# Altium PCB Printing2.PcbDoc (part 1 of 5) (continued)
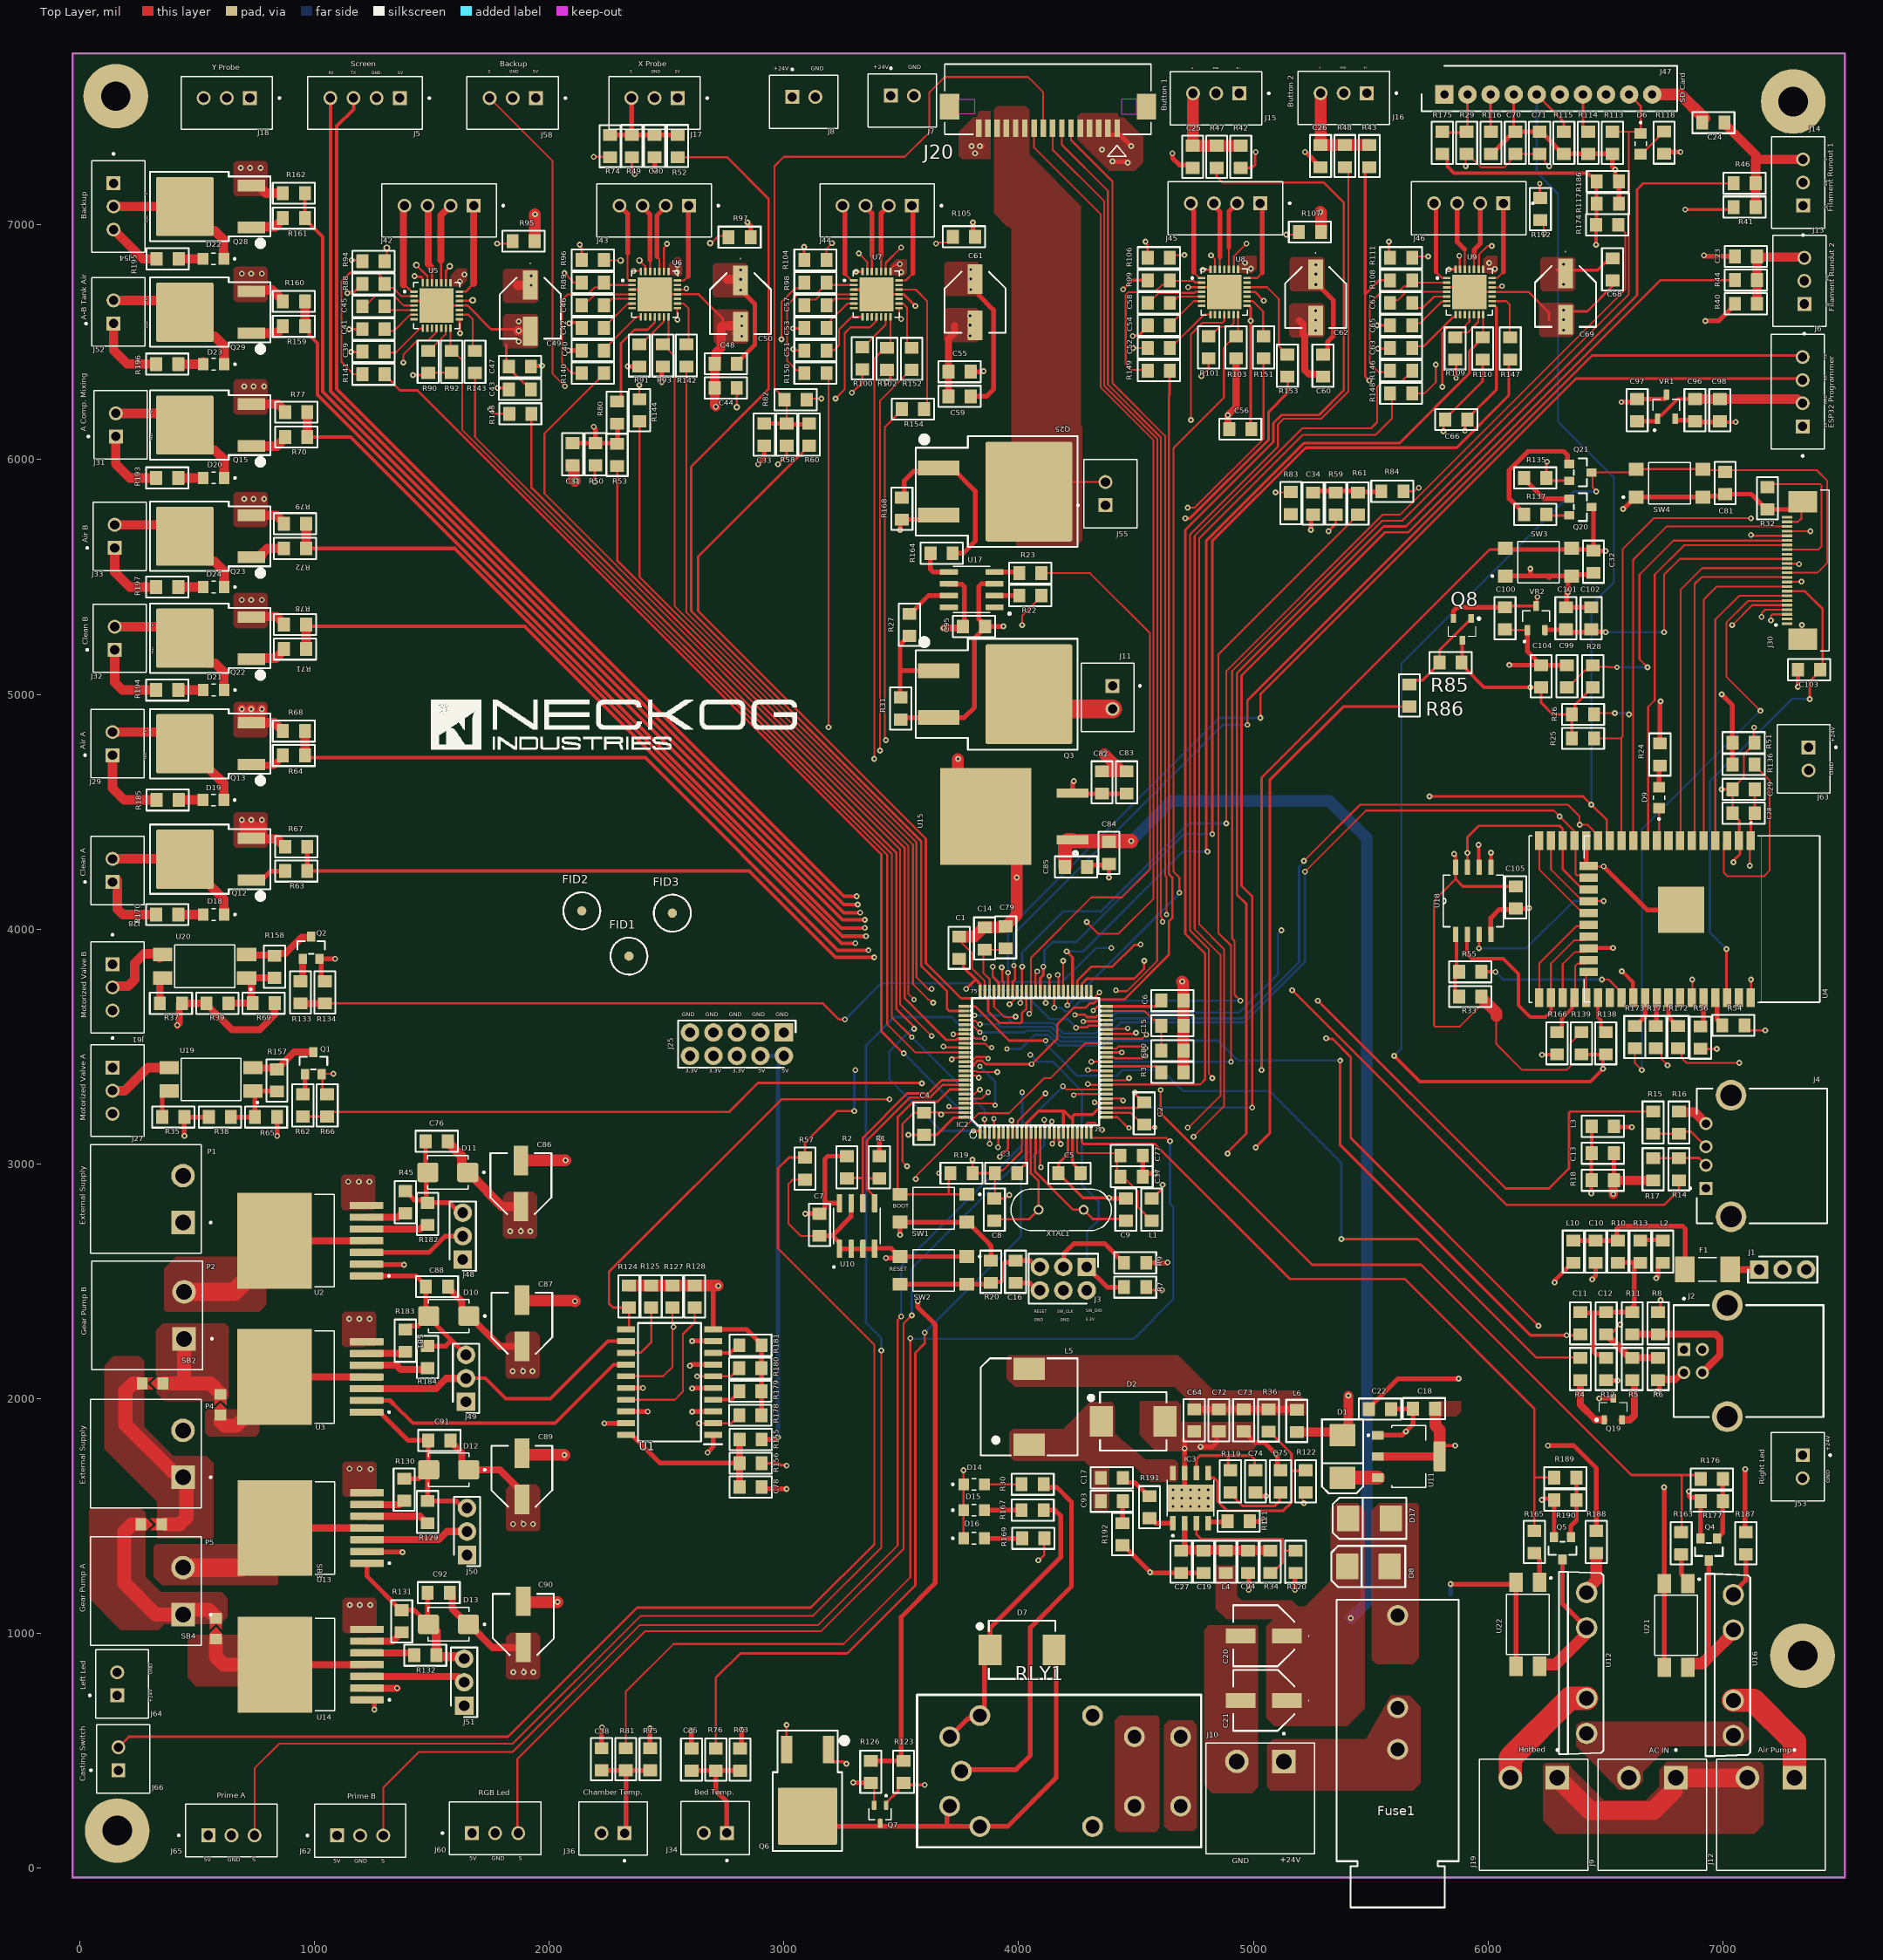
[diagram p0: Top Layer view]
## Components (designator, comment, footprint, x,y, rotation, side; value= is the part's Value field where it differs from the comment) (continued)
R39 "StandardResistor" R_0805_GEN_0.70H 587.3,3683.91 r0 top value=3.3K
R40 "StandardResistor" R_0805_GEN_0.60H 7098.76,6663.52 r0 top value=4.7K
R41 "StandardResistor" R_0805_GEN_0.60H 7093.14,7075.5 r0 top value=4.7K
R42 "StandardResistor" R_0805_GEN_0.60H 4946.56,7289.76 r90 top value=4.7K
R43 "StandardResistor" R_0805_GEN_0.60H 5493.94,7292.76 r90 top value=4.7K
R44 "StandardResistor" R_0805_GEN_0.70H 7098.76,6764.51 r0 top value=100R
R45 "StandardResistor" R_0805_GEN_0.70H 1387.27,2836.98 r270 top value=1K
R46 "StandardResistor" R_0805_GEN_0.70H 7093.14,7176.68 r0 top value=100R
R47 "StandardResistor" R_0805_GEN_0.70H 4844,7289.76 r90 top value=100R
R48 "StandardResistor" R_0805_GEN_0.70H 5390,7292.76 r90 top value=100R
R49 "StandardResistor" R_0805_GEN_0.60H 2352.39,7335.43 r90 top value=4.7K
R50 "StandardResistor" R_0805_GEN_0.60H 2197.31,6022.76 r90 top value=4.7K
R51 "StandardResistor" R_0805_GEN_0.60H 7088.47,4794.49 r180 top value=4.7K
R52 "StandardResistor" R_0805_GEN_0.70H 2547,7335.43 r90 top value=1K
R53 "StandardResistor" R_0805_GEN_0.70H 2290,6020 r90 top value=1K
R54 "StandardJumper" R_0805_GEN_0.70H 7045,3590 r180 top value=0R
R55 "StandardJumper" R_0805_GEN_0.70H 5923.72,3817.87 r180 top value=0R
R56 "StandardJumper" R_0805_GEN_0.70H 6905,3537.76 r90 top value=0R
R57 "StandardResistor" R_0805_GEN_0.70H 3090,2980 r90 top value=2.2K
R58 "StandardResistor" R_0805_GEN_0.60H 3012.11,6106.43 r90 top value=4.7K
R59 "StandardResistor" R_0805_GEN_0.60H 5350.74,5812.43 r90 top value=4.7K
R60 "StandardResistor" R_0805_GEN_0.70H 3107.8,6106.43 r90 top value=1K
R61 "StandardResistor" R_0805_GEN_0.70H 5446.42,5812.43 r90 top value=1K
R62 "StandardResistor" R_0805_GEN_0.70H 950.84,3248.76 r90 top value=33R
R63 "StandardResistor" R_0805_GEN_0.70H 922.57,4247.08 r180 top value=33R
R64 "StandardResistor" R_0805_GEN_0.70H 912.57,4739.36 r180 top value=33R
R65 "StandardResistor" R_0805_GEN_0.70H 794.15,3199.55 r180 top value=3.3K
R66 "StandardResistor" R_0805_GEN_0.70H 1054.39,3248.76 r90 top value=3.3K
R67 "StandardResistor" R_0805_GEN_0.70H 922.57,4350.62 r180 top value=3.3K
R68 "StandardResistor" R_0805_GEN_0.70H 912.57,4843.69 r180 top value=3.3K
R69 "StandardResistor" R_0805_GEN_0.70H 784.15,3684.31 r180 top value=3.3K
R70 "StandardResistor" R_0805_GEN_0.70H 922.57,6095.98 r180 top value=33R
R71 "StandardResistor" R_0805_GEN_0.70H 917.57,5192.83 r180 top value=33R
R72 "StandardResistor" R_0805_GEN_0.70H 917.57,5621.45 r180 top value=33R
R73 "StandardResistor" R_0805_GEN_0.60H 2813.44,462.76 r90 top value=4.7K
R74 "StandardJumper" R_0805_GEN_0.70H 2260,7335 r270 top value=0R
R75 "StandardResistor" R_0805_GEN_0.60H 2430.21,463.93 r90 top value=4.7K
R76 "StandardResistor" R_0805_GEN_0.70H 2710,462.76 r270 top value=100R
R77 "StandardResistor" R_0805_GEN_0.70H 922.57,6201.88 r180 top value=3.3K
R78 "StandardResistor" R_0805_GEN_0.70H 917.57,5297.16 r180 top value=3.3K
R79 "StandardResistor" R_0805_GEN_0.70H 917.57,5726.96 r180 top value=3.3K
R80 "StandardJumper" R_0805_GEN_0.70H 2290,6200 r90 top value=0R
R81 "StandardResistor" R_0805_GEN_0.70H 2326.76,463.93 r270 top value=100R
R82 "StandardJumper" R_0805_GEN_0.70H 3050,6255 r0 top value=0R
R83 "StandardJumper" R_0805_GEN_0.70H 5160,5815 r90 top value=0R
R84 "StandardJumper" R_0805_GEN_0.70H 5592.24,5865 r0 top value=0R
R85 "StandardResistor" R_0805_GEN_0.60H 5840,5135 r180 top value=4.7K
R86 "StandardResistor" R_0805_GEN_0.60H 5665,4995 r90 top value=1K
R88 "StandardResistor" R_0805_GEN_0.70H 1252.17,6748.75 r180 top value=22K
R89 "StandardResistor" R_0805_GEN_0.70H 2186.22,6753.75 r180 top value=22K
R90 "StandardJumper" R_0805_GEN_0.70H 1484.41,6416.09 r90 top value=0R
R91 "StandardJumper" R_0805_GEN_0.70H 2384.41,6443.33 r90 top value=0R
R92 "StandardResistor" R_0805_GEN_0.70H 1584.41,6416.09 r270 top value=22K
R93 "StandardResistor" R_0805_GEN_0.70H 2484.41,6443.33 r270 top value=22K
R94 "StandardResistor" R_0805_GEN_0.70H 1252.17,6845.1 r0 top value=1K
R95 "StandardResistor" R_0805_GEN_0.70H 1891.41,6930.33 r180 top value=1K
R96 "StandardResistor" R_0805_GEN_0.70H 2186.22,6850.1 r0 top value=1K
R97 "StandardResistor" R_0805_GEN_0.70H 2811.41,6947.33 r180 top value=1K
R98 "StandardResistor" R_0805_GEN_0.70H 3134.41,6753.75 r180 top value=22K
R99 "StandardResistor" R_0805_GEN_0.70H 4597.2,6763.75 r180 top value=22K
R100 "StandardJumper" R_0805_GEN_0.70H 3334.45,6431.17 r90 top value=0R
R101 "StandardJumper" R_0805_GEN_0.70H 4809.41,6478.33 r90 top value=0R
R102 "StandardResistor" R_0805_GEN_0.70H 3439.43,6429 r270 top value=22K
R103 "StandardResistor" R_0805_GEN_0.70H 4926.41,6478.33 r270 top value=22K
R104 "StandardResistor" R_0805_GEN_0.70H 3134.41,6850.1 r0 top value=1K
R105 "StandardResistor" R_0805_GEN_0.70H 3767.41,6949.33 r180 top value=1K
R106 "StandardResistor" R_0805_GEN_0.70H 4597.2,6860.1 r0 top value=1K
R107 "StandardResistor" R_0805_GEN_0.70H 5241.17,6969.33 r180 top value=1K
R108 "StandardResistor" R_0805_GEN_0.70H 5629.49,6763.75 r180 top value=22K
R109 "StandardJumper" R_0805_GEN_0.70H 5859.41,6473.33 r90 top value=0R
R110 "StandardResistor" R_0805_GEN_0.70H 5976.91,6473.33 r270 top value=22K
R111 "StandardResistor" R_0805_GEN_0.70H 5629.49,6860.1 r0 top value=1K
R112 "StandardResistor" R_0805_GEN_0.70H 6222.67,7067.41 r270 top value=1K
R113 "StandardResistor" R_0805_GEN_0.70H 6529.87,7349.49 r270 top value=10K
R114 "StandardResistor" R_0805_GEN_0.70H 6426.37,7349.49 r270 top value=10K
R115 "StandardResistor" R_0805_GEN_0.70H 6322.87,7349.49 r270 top value=10K
R116 "StandardResistor" R_0805_GEN_0.70H 6012.36,7349.49 r270 top value=10K
R117 "StandardResistor" R_0805_GEN_0.70H 6510.35,7090 r0 top value=10K
R118 "StandardResistor" R_0805_GEN_0.70H 6750,7350 r90 top value=1.8K
R119 "StandardResistor" R_0805_GEN_0.70H 4902.5,1647.5 r90 top value=16.9K
R120 "StandardResistor" R_0805_GEN_0.70H 5180,1305 r90 top value=90.9K
R121 "StandardResistor" R_0805_GEN_0.70H 4937.5,1477.5 r180 top value=243K
R122 "StandardResistor" R_0805_GEN_0.70H 5222.5,1647.5 r90 top value=10.2K
R123 "1K" R_0805_GEN_0.60H 3510,410 r270 top value=4.7K
R124 "StandardResistor" R_0805_GEN_0.70H 2340,2435 r270 top value=1K
R125 "StandardResistor" R_0805_GEN_0.70H 2435,2435 r270 top value=1K
R126 "StandardResistor" R_0805_GEN_0.60H 3370,410 r270 top value=4.7K
R127 "StandardResistor" R_0805_GEN_0.70H 2525,2435 r270 top value=1K
R128 "StandardResistor" R_0805_GEN_0.70H 2620,2435 r270 top value=1K
R129 "StandardResistor" R_0805_GEN_0.70H 1482.27,1516.98 r270 top value=1K
R130 "StandardResistor" R_0805_GEN_0.70H 1382.27,1611.98 r270 top value=1K
R131 "StandardResistor" R_0805_GEN_0.70H 1372.27,1051.98 r270 top value=1K
R132 "StandardResistor" R_0805_GEN_0.70H 1472.27,906.98 r180 top value=1K
R133 "StandardResistor" R_0805_GEN_0.70H 940.84,3730.76 r90 top value=33R
R134 "StandardResistor" R_0805_GEN_0.70H 1044.39,3730.76 r90 top value=3.3K
R135 "StandardResistor" R_0805_GEN_0.70H 6200.79,5921.87 r180 top value=10K
R136 "StandardJumper" R_0805_GEN_0.70H 7088.47,4701.49 r0 top value=0R
R137 "StandardResistor" R_0805_GEN_0.70H 6200.79,5766.28 r180 top value=10K
R138 "StandardJumper" R_0805_GEN_0.70H 6501.65,3513.62 r90 top value=0R
R139 "StandardResistor" R_0805_GEN_0.60H 6397.65,3513.62 r270 top value=4.7K
R140 "StandardJumper" R_0805_GEN_0.70H 2186.22,6368.33 r180 top value=0R
R141 "StandardJumper" R_0805_GEN_0.70H 1252.17,6363.33 r180 top value=0R
R142 "StandardJumper" R_0805_GEN_0.70H 2584.41,6443.33 r90 top value=0R
R143 "StandardJumper" R_0805_GEN_0.70H 1684.41,6416.09 r90 top value=0R
R144 "StandardJumper" R_0805_GEN_0.70H 2385,6210 r90 top value=0R
R145 "StandardJumper" R_0805_GEN_0.70H 1877.24,6195 r180 top value=0R
R146 "StandardJumper" R_0805_GEN_0.70H 5629.49,6378.33 r180 top value=0R
R147 "StandardJumper" R_0805_GEN_0.70H 6094.41,6473.33 r90 top value=0R
R148 "StandardJumper" R_0805_GEN_0.70H 5629.41,6282.33 r0 top value=0R
R149 "StandardJumper" R_0805_GEN_0.70H 4597.2,6378.33 r180 top value=0R
R150 "StandardJumper" R_0805_GEN_0.70H 3134.41,6368.33 r180 top value=0R
R151 "StandardJumper" R_0805_GEN_0.70H 5043.41,6478.33 r90 top value=0R
R152 "StandardJumper" R_0805_GEN_0.70H 3544.41,6429 r90 top value=0R
R153 "StandardJumper" R_0805_GEN_0.70H 5145.41,6400.33 r90 top value=0R
R154 "StandardJumper" R_0805_GEN_0.70H 3550,6215 r0 top value=0R
R155 "StandardJumper" R_0805_GEN_0.70H 2858.22,1826.25 r180 top value=0R
R156 "StandardJumper" R_0805_GEN_0.70H 2858.22,1725.07 r0 top value=0R
R157 "StandardResistor" R_0805_GEN_0.70H 840.21,3355.46 r90 top value=DNP
R158 "StandardResistor" R_0805_GEN_0.70H 830.21,3839.43 r90 top value=3.3K
R159 "StandardResistor" R_0805_GEN_0.70H 912.57,6567.63 r180 top value=33R
R160 "StandardResistor" R_0805_GEN_0.70H 912.57,6673.93 r180 top value=3.3K
R161 "StandardResistor" R_0805_GEN_0.70H 912.57,7028.18 r180 top value=33R
R162 "StandardResistor" R_0805_GEN_0.70H 912.57,7134.87 r180 top value=3.3K
R163 "StandardResistor" R_0805_GEN_0.70H 6823,1384.24 r90 top value=330R
R164 "StandardResistor" R_0805_GEN_0.70H 3672,5601 r0 top value=100R
R165 "StandardResistor" R_0805_GEN_0.70H 6197,1389.24 r90 top value=330R
R166 "StandardJumper" R_0805_GEN_0.70H 6293.66,3513.62 r270 top value=0R
R167 "StandardResistor" R_0805_GEN_0.70H 4060,1525 r0 top value=2.2K
R168 "StandardResistor" R_0805_GEN_0.70H 3503,5791 r90 top value=3.3K
R169 "StandardResistor" R_0805_GEN_0.70H 4062.24,1405 r0 top value=1K
R170 "StandardResistor" R_0805_GEN_0.70H 373,4062 r180 top value=10K
R171 "StandardJumper" R_0805_GEN_0.70H 6715,3540 r270 top value=0R
R172 "StandardJumper" R_0805_GEN_0.70H 6810,3540 r270 top value=0R
R173 "StandardJumper" R_0805_GEN_0.70H 6625,3540 r90 top value=0R
R174 "StandardJumper" R_0805_GEN_0.70H 6507.76,7000 r180 top value=0R
R175 "StandardJumper" R_0805_GEN_0.70H 5805.35,7349.49 r90 top value=0R
R176 "StandardResistor" R_0805_GEN_0.70H 6953,1658 r0 top value=33R
R177 "StandardResistor" R_0805_GEN_0.70H 6953,1563 r180 top value=3.3K
R178 "StandardResistor" R_0805_GEN_0.70H 2857.43,1929.01 r180 top value=1K
R179 "StandardResistor" R_0805_GEN_0.70H 2857.43,2031.76 r180 top value=1K
R180 "StandardResistor" R_0805_GEN_0.70H 2857.02,2129.27 r180 top value=1K
R181 "StandardResistor" R_0805_GEN_0.70H 2858.02,2227.27 r180 top value=1K
R182 "StandardResistor" R_0805_GEN_0.70H 1482.27,2786.98 r270 top value=1K
R183 "StandardResistor" R_0805_GEN_0.70H 1387.27,2246.98 r270 top value=1K
R184 "StandardResistor" R_0805_GEN_0.70H 1482.27,2176.98 r270 top value=1K
R185 "StandardResistor" R_0805_GEN_0.70H 375,4550 r180 top value=10K
R186 "StandardResistor" R_0805_GEN_0.60H 6510,7185 r0 top value=4.7K
R187 "StandardResistor" R_0805_GEN_0.70H 7098,1384.24 r270 top value=1K
R188 "StandardResistor" R_0805_GEN_0.70H 6461,1389.24 r270 top value=1K
R189 "StandardResistor" R_0805_GEN_0.70H 6329,1663 r0 top value=33R
R190 "StandardResistor" R_0805_GEN_0.70H 6329,1568 r180 top value=3.3K
R191 "PlaceHolder" R_0805_GEN_0.70H 4557.5,1537.5 r90 top value=0R
R192 "PlaceHolder" R_0805_GEN_0.70H 4442.5,1422.5 r90 top value=0R
R193 "StandardResistor" R_0805_GEN_0.70H 373,5922 r180 top value=10K
R194 "StandardResistor" R_0805_GEN_0.70H 373,5018.35 r180 top value=10K
R195 "StandardResistor" R_0805_GEN_0.70H 375,6855 r180 top value=10K
R196 "StandardResistor" R_0805_GEN_0.70H 373,6407 r180 top value=10K
R197 "StandardResistor" R_0805_GEN_0.70H 373,5457 r180 top value=10K
RLY1 "G5RL-1A-E-HR-DC24" relay 4226.79,-151.22 r0 top
SB1 "" 0805_SB 599.41,1974.41 r270 top
SB2 "0805_SB" 0805_SB 310,2065 r0 top
SB3 "" 0805_SB 580,1020 r270 top
SB4 "" 0805_SB 305,1465 r180 top
SW1 "L-KLS7-TS4502-6.5-180-T" L-KLS7-TS4502-6.5-180-T 3637.58,2810.97 r180 top
SW2 "L-KLS7-TS4502-6.5-180-T" L-KLS7-TS4502-6.5-180-T 3637.58,2546.41 r180 top
SW3 "L-KLS7-TS4502-6.5-180-T" L-KLS7-TS4502-6.5-180-T 6214.82,5562.86 r0 top
SW4 "L-KLS7-TS4502-6.5-180-T" L-KLS7-TS4502-6.5-180-T 6773.27,5899.09 r0 top
U1 "SN74AHC244DW" SN74AHC244DW 2513.02,2070.27 r180 top
U2 "BTN8982TA" DPAK127P1500X440-8N 982.94,2672.68 r180 top
U3 "BTN8982TA" DPAK127P1500X440-8N 983.33,2092.37 r180 top
U4 "ESP-WROOM-32" ESP_DUAL 6816.21,4081.35 r270 top
U5 "TMC2209-LA" QFN50P500X500X90-29N 1520.63,6656.4 r0 top
U6 "TMC2209-LA" QFN50P500X500X90-29N 2449.84,6704.16 r0 top
U7 "TMC2209-LA" QFN50P500X500X90-29N 3394.65,6704.16 r0 top
U8 "TMC2209-LA" QFN50P500X500X90-29N 4876.34,6714.16 r0 top
U9 "TMC2209-LA" QFN50P500X500X90-29N 5920.43,6714.16 r0 top
U10 "AT24CS64-SSHM-B" SOIC127P599X175-8N 3311.75,2735.5 r90 top
U11 "AMS1117-3.3" SOT229P700X180-4N 5661.99,1753.88 r270 top
U12 "CPC1998J SSR" I4-PAC 6420,874 r90 top
U13 "BTN8982TA" DPAK127P1500X440-8N 984.91,1449.06 r180 top
U14 "BTN8982TA" DPAK127P1500X440-8N 984.91,866.98 r180 top
U15 "L7812CD2T-TR" TO254P1515X470-3N 3981.97,4480 r180 top
U16 "CPC1998J SSR" I4-PAC 7045,865 r90 top
U17 "IX4427N" SOIC127P600X175-8N 3800,5446 r180 top
U18 "PSRAM_ESP32" SOP8 5936.72,4119.87 r90 top
U19 "FOD817S" SOIC254P1016X385-4N 560,3360 r180 top
U20 "FOD817S" SOIC254P1016X385-4N 532.57,3841.77 r180 top
U21 "FOD817S" SOIC254P1016X385-4N 6801,1034 r270 top
U22 "FOD817S" SOIC254P1016X385-4N 6169,1039 r270 top
VR1 "XC6206P282MR" SOT95P280X130-3N 6759.54,6225.04 r90 top
VR2 "XC6206P122MR" SOT95P280X130-3N 6205,5325 r90 top
XTAL1 "ATS08A-E" XTAL_HC49P488W43L1085T450H368 4181.28,2804.67 r0 top

## Footprints (in the part's own frame and the unit in brackets; to place one, negate y for a bottom-side part, rotate by r counter-clockwise, add the part's x,y. Pads: shape width x height; smd on the part's side, far side on the other; paste and mask are expansions set on the pad)
"5.08 Klemens" [mm]
  rect 2.55x2.55 / inner round 2.55 / far side rect 2.55x2.55 hole 1.7: 1(0,0)
  round 2.55 hole 1.7: 2(5.08,0)
  silkscreen extent -3.34,-3.1 8.42,10, body extent -3.38,-1.97 8.38,10.03, height 8.5
"5.08 KLEMENS" [mm]
  rect 2.55x2.55 / inner round 2.55 / far side rect 2.55x2.55 hole 1.7: 1(0,0)
  round 2.55 hole 1.7: 2(5.08,0)
  silkscreen extent -3.34,-3.1 8.42,10, body extent -3.38,-1.97 8.38,10.03, height 8.5
5PH1SDA25-203G0NNBL-3X6 [mm]
  rect 2x2 hole 1.15: 1(0,0)
  round 2 hole 1.15: 2(0,2.54) 3(2.54,0) 4(2.54,2.54) 5(5.08,0) 6(5.08,2.54)
  silkscreen extent -1.21,-1.43 6.29,3.97, body extent -1.07,-1.17 6.15,3.71, height 8.12
"0805 LED" [mm]
  rect 1.15x1.3 smd: A(1.125,0) K(-1.125,0)
  silkscreen extent -2.4,-0.63 0.23,0.63, body extent -1,-0.62 1,0.62, height 0.73
0805_SB [mm]
  rect 1.15x1.3 smd: 1(-1.125,0) 2(1.125,0)
  Top Layer region: -0.91,-0.65 0.11,-0.65 -0.55,0.01 0.09,0.65 -0.91,0.65
  Top Layer region: 0.657,0.65 0.466,0.65 -0.173,0.011 0.487,-0.651 0.656,-0.651
"2410 SIGORTA" [mm]
  rect 2.15x2.8 smd: 1(-2.455,0) 2(2.455,0)
  silkscreen extent -1,-1.27 1,1.27, body extent -3.05,-1.27 3.05,1.27, height 2.79
7447798720 [mm]
  rect 3.4x2.4 smd: 1(0,-4.1) 2(0,4.1)
  silkscreen extent -5.25,-5.25 5.25,5.25, body extent -5.1,-5.1 5.1,5.1, height 4.5
696310001002 [mm]
  round 2.25 hole 1.5: 1(-9.5,0) 1(-5,0) 2(5,0)
  silkscreen extent -26.6,-6.6 6.7,6.6, body extent -26.29,-6.47 6.81,6.53, height 12.5
B560C-13-F [mm]
  rect 2.5x3.3 smd: A(3.45,0) K(-3.45,0)
  silkscreen extent -4.77,-3.15 3.6,3.15, body extent -3.77,-3.11 3.77,3.11, height 2.62
BC817-40W,115 [mm]
  rrect25% 0.99x0.5 smd: 1(-0.97,0.65) 2(-0.97,-0.65) 3(0.97,0)
  silkscreen extent -2.1,-1.21 0.63,1.21, body extent -1.05,-1 1.05,1, height 1.11
BH10B-XH-2(LF)(SN) [mm]
  rect 2x2 hole 0.9: 1(0,0)
  round 2 hole 0.9: 2(2.5,0) 3(5,0) 4(7.5,0) 5(10,0) 6(12.5,0) 7(15,0) 8(17.5,0) 9(20,0) 10(22.5,0)
  silkscreen extent -2.45,-1.8 25.2,3.1, body extent -2.46,-1.79 24.94,3.11, height 5.86
C_0805_GEN_0.70H [mm] "ADDED BY: İlhanT, CHECKED BY: TBD, APPROVAL STATUS: NO"
  rrect5% 1.3x1.5 smd: 1(-1.2,0) 2(1.2,0)
  silkscreen extent -2.29,-1.14 2.29,1.14, body extent -1.08,-0.67 1.08,0.67, height 0.71
C_0805_GEN_1.10H [mm] "ADDED BY: HasanA, CHECKED BY: TBD, APPROVAL STATUS: NO"
  rrect5% 1.3x1.5 smd: 1(-1.2,0) 2(1.2,0)
  silkscreen extent -2.29,-1.14 2.29,1.14, body extent -1.1,-0.72 1.1,0.73, height 1.1
C_0805_GEN_1.40H [mm] "ADDED BY: HasanA, CHECKED BY: TBD, APPROVAL STATUS: NO"
  rrect5% 1.3x1.5 smd: 1(-1.2,0) 2(1.2,0)
  silkscreen extent -2.29,-1.14 2.29,1.14, body extent -1.1,-0.72 1.1,0.72, height 1.4
CAM_CONN [mm]
  rect 0.3x1.1 smd: 1(-5.75,0) 2(-5.25,0) 3(-4.75,0) 4(-4.25,0) 5(-3.75,0) 6(-3.25,0) 7(-2.75,0) 8(-2.25,0) 9(-1.75,0) 10(-1.25,0) 11(-0.75,0) 12(-0.25,0) 13(0.25,0) 14(0.75,0) 15(1.25,0) 16(1.75,0) 17(2.25,0) 18(2.75,0) 19(3.25,0) 20(3.75,0) 21(4.25,0) 22(4.75,0) 23(5.25,0) 24(5.75,0)
  rect 2.3x3.1 smd: S1(-7.42,-1.7) S2(7.42,-1.7)
  silkscreen extent -8.71,-4.55 8.71,1.3, body extent -8.73,-4.55 8.7,0.55, height 2.05
CON_522071633_MOL [mm]
  rect 0.6x1.9 smd paste+0 mask+0.076: 1(-7.5,3.15) 2(-6.5,3.15) 3(-5.5,3.15) 4(-4.5,3.15) 5(-3.5,3.15) 6(-2.5,3.15) 7(-1.5,3.15) 8(-0.5,3.15) 9(0.5,3.15) 10(1.5,3.15) 11(2.5,3.15) 12(3.5,3.15) 13(4.5,3.15) 14(5.5,3.15) 15(6.5,3.15) 16(7.5,3.15)
  rect 2.1x2.8 smd paste+0 mask+0.076: P1(-10.65,0.8) P2(10.65,0.8)
  Keep-Out Layer region: 7.95,0 7.95,1.6 9.6,1.6 9.6,0
  Keep-Out Layer region: -7.95,0 -7.95,1.6 -9.6,1.6 -9.6,0
  silkscreen extent -11.15,-3.8 11.15,6.2, body extent -11.02,-3.44 11.28,4.16, height 2.75
D2PAK-3_SQM60N20-35 [mm] "ADDED BY: HasanA, CHECKED BY: İlhanT, APPROVAL STATUS: NO"
  rrect5% 1.6x4.5 smd paste-4.5: 1(-2.55,-9.75) 3(2.53,-9.75)
  rrect5% 10.8x9.4 smd paste-10.8: TAB(0,0)
  silkscreen extent -6,-12.25 6,5.25, body extent -5,-10.99 5,4.68, height 4.93
DPAK127P1500X440-8N [mm]
  rrect25% 3.67x0.79 smd: 1(-6.07,3.81) 2(-6.07,2.54) 3(-6.07,1.27) 4(-6.07,0) 5(-6.07,-1.27) 6(-6.07,-2.54) 7(-6.07,-3.81)
  rect 8.04x10.37 smd paste-6: 8(3.89,0)
  silkscreen extent -8.6,-5 -0.44,5, body extent -7.21,-5 7.51,5, height 4.4
DPAK_SQD50N10-8M9L [mm] "ADDED BY: ÝlhanT, CHECKED BY: ???, APPROVAL STATUS: NO"
  rrect5% 1.25x3 smd paste-3: 1(-2.266,-7.2) 3(2.266,-7.2)
  rrect5% 6.4x6.2 smd paste-6.2: TAB(0,0)
  silkscreen extent -4.29,-9.25 3.75,3.75, body extent -3.23,-7.15 3.24,2.76, height 2.52
ESP_DUAL [mm]
  rect 2x0.9 smd: 1(-7.509,7.676) 2(-7.509,6.406) 3(-7.509,5.136) 4(-7.509,3.866) 5(-7.509,2.596) 6(-7.509,1.326) 7(-7.509,0.056) 8(-7.509,-1.214) 9(-7.509,-2.484) 10(-7.509,-3.754) 11(-7.509,-5.024) 12(-7.509,-6.294) 13(-7.509,-7.564) 14(-7.509,-8.834) 15(-7.509,-10.104) 16(-7.509,-11.374) 17(-7.509,-12.644) 18(-7.509,-13.914) 19(-7.509,-15.184) 20(9.491,-15.184) 21(9.491,-13.914) 22(9.491,-12.644) 23(9.491,-11.374) 24(9.491,-10.104) 25(9.491,-8.834) 26(9.491,-7.564) 27(9.491,-6.294) 28(9.491,-5.024) 29(9.491,-3.754) 30(9.491,-2.484) 31(9.491,-1.214) 32(9.491,0.056) 33(9.491,1.326) 34(9.491,2.596) 35(9.491,3.866) 36(9.491,5.136) 37(9.491,6.406) 38(9.491,7.676)
  rect 0.9x2 smd: 15(-4.75,-9.837) 16(-3.48,-9.837) 17(-2.21,-9.837) 18(-0.94,-9.837) 19(0.33,-9.837) 20(1.6,-9.837) 21(2.87,-9.837) 22(4.14,-9.837) 23(5.41,-9.837) 24(6.68,-9.837)
  rect 5x5 smd paste-0.92: 39(-0.009,0.176)
  Keep-Out Layer region: 9.965,8.863 -8.035,8.863 -8.035,15.163 9.965,15.163
  silkscreen extent -9.51,-16.28 9.99,15.16, body extent -8.03,-10.34 9.97,15.16, height 3.2
FB_0805_GEN_1.10H [mm] "ADDED BY: HasanA, CHECKED BY: ErayC, APPROVAL STATUS: NO"
  rrect5% 1.3x1.5 smd: 1(-1.2,0) 2(1.2,0)
  silkscreen extent -2.29,-1.14 2.29,1.14, body extent -1,-0.55 1,0.55, height 1.26
I4-PAC [mm]
  round 2.3 hole 1.6: 1(-7.62,0) 2(-3.81,0) 3(3.81,0) 4(7.62,0)
  silkscreen extent -9.85,-1.83 9.87,3
JST_B2B-XH-A(LF)(SN) [mm]
  rect 1.508x1.508 hole 1: 1(1.25,0)
  round 1.508 hole 1: 2(-1.25,0)
  silkscreen extent -3.7,-3.07 3.7,3.4, body extent -3.7,-2.32 3.7,3.43, height 7
JST_B3B-XH-A(LF)(SN) [mm]
  rect 1.508x1.508 hole 1: 1(-2.5,-0.525)
  round 1.508 hole 1: 2(0,-0.525) 3(2.5,-0.525)
  silkscreen extent -5.8,-2.88 4.95,2.88, body extent -4.95,-2.87 4.95,2.88, height 7
JST_B4B-XH-A(LF)(SN) [mm]
  rect 1.508x1.508 hole 1: 1(-3.75,-0.525)
  round 1.508 hole 1: 2(-1.25,-0.525) 3(1.25,-0.525) 4(3.75,-0.525)
  silkscreen extent -7.05,-2.88 6.2,2.88, body extent -6.2,-2.87 6.2,2.88, height 7
L-KLS1-207-1-03-S [mm]
  rect 2x2 hole 1.15: 1(0,0)
  round 2 hole 1.15: 2(2.54,0) 3(5.08,0)
  silkscreen extent -1.21,-1.43 6.29,1.43, body extent -1.07,-1.17 6.15,1.17, height 8.12
L-KLS1-207-2-10-S [mm]
  rect 2x2 hole 1.1: 1(0,0)
  round 2 hole 1.1: 2(0,2.54) 3(2.54,0) 4(2.54,2.54) 5(5.08,0) 6(5.08,2.54) 7(7.62,0) 8(7.62,2.54) 9(10.16,0) 10(10.16,2.54)
  silkscreen extent -1.27,-1.27 11.43,3.81, body extent -1.27,-1.27 11.43,3.81, height 9.25
L-KLS7-TS4502-6.5-180-T [mm]
  rect 1.6x1.4 smd: 1(-3.6,-1.5) 2(-3.6,1.5) 3(3.6,1.5) 4(3.6,-1.5)
  silkscreen extent -5.1,-2.25 2.25,2.25, body extent -3.75,-2.25 3.75,2.25, height 3.7
LQFP100-0.5-13.8X13.8MM [mm]
  rect 1.2x0.32 smd: 1(-7.75,6) 2(-7.75,5.5) 3(-7.75,5) 4(-7.75,4.5) 5(-7.75,4) 6(-7.75,3.5) 7(-7.75,3) 8(-7.75,2.5) 9(-7.75,2) 10(-7.75,1.5) 11(-7.75,1) 12(-7.75,0.5) 13(-7.75,0) 14(-7.75,-0.5) 15(-7.75,-1) 16(-7.75,-1.5) 17(-7.75,-2) 18(-7.75,-2.5) 19(-7.75,-3) 20(-7.75,-3.5) 21(-7.75,-4) 22(-7.75,-4.5) 23(-7.75,-5) 24(-7.75,-5.5) 25(-7.75,-6) 51(7.75,-6) 52(7.75,-5.5) 53(7.75,-5) 54(7.75,-4.5) 55(7.75,-4) 56(7.75,-3.5) 57(7.75,-3) 58(7.75,-2.5) 59(7.75,-2) 60(7.75,-1.5) 61(7.75,-1) 62(7.75,-0.5) 63(7.75,0) 64(7.75,0.5) 65(7.75,1) 66(7.75,1.5) 67(7.75,2) 68(7.75,2.5) 69(7.75,3) 70(7.75,3.5) 71(7.75,4) 72(7.75,4.5) 73(7.75,5) 74(7.75,5.5) 75(7.75,6)
  rect 0.32x1.2 smd: 26(-6,-7.75) 27(-5.5,-7.75) 28(-5,-7.75) 29(-4.5,-7.75) 30(-4,-7.75) 31(-3.5,-7.75) 32(-3,-7.75) 33(-2.5,-7.75) 34(-2,-7.75) 35(-1.5,-7.75) 36(-1,-7.75) 37(-0.5,-7.75) 38(0,-7.75) 39(0.5,-7.75) 40(1,-7.75) 41(1.5,-7.75) 42(2,-7.75) 43(2.5,-7.75) 44(3,-7.75) 45(3.5,-7.75) 46(4,-7.75) 47(4.5,-7.75) 48(5,-7.75) 49(5.5,-7.75) 50(6,-7.75) 76(6,7.75) 77(5.5,7.75) 78(5,7.75) 79(4.5,7.75) 80(4,7.75) 81(3.5,7.75) 82(3,7.75) 83(2.5,7.75) 84(2,7.75) 85(1.5,7.75) 86(1,7.75) 87(0.5,7.75) 88(0,7.75) 89(-0.5,7.75) 90(-1,7.75) 91(-1.5,7.75) 92(-2,7.75) 93(-2.5,7.75) 94(-3,7.75) 95(-3.5,7.75) 96(-4,7.75) 97(-4.5,7.75) 98(-5,7.75) 99(-5.5,7.75) 100(-6,7.75)
  silkscreen extent -8.27,-7.13 7.11,7.15, body extent -8,-8 8,8, height 1.6
PJA3405_R1_00001 [mm]
  rect 0.95x0.6 smd: 1(-1.175,0.95) 2(-1.175,-0.95) 3(1.175,0)
  silkscreen extent -1.3,-1.5 0.7,1.93, body extent -1.35,-1.5 1.35,1.5, height 1.1
QFN50P500X500X90-29N [mm]
  rrect25% 0.81x0.27 smd: 1(-2.45,1.5) 2(-2.45,1) 3(-2.45,0.5) 4(-2.45,0) 5(-2.45,-0.5) 6(-2.45,-1) 7(-2.45,-1.5) 15(2.45,-1.5) 16(2.45,-1) 17(2.45,-0.5) 18(2.45,0) 19(2.45,0.5) 20(2.45,1) 21(2.45,1.5)
  rrect25% 0.27x0.81 smd: 8(-1.5,-2.45) 9(-1,-2.45) 10(-0.5,-2.45) 11(0,-2.45) 12(0.5,-2.45) 13(1,-2.45) 14(1.5,-2.45) 22(1.5,2.45) 23(1,2.45) 24(0.5,2.45) 25(0,2.45) 26(-0.5,2.45) 27(-1,2.45) 28(-1.5,2.45)
  rect 3.7x3.7 smd paste-0.68: 29(0,0)
  silkscreen extent -3.56,-2.5 2.5,2.5, body extent -2.55,-2.55 2.55,2.55, height 0.9
R_0805_GEN_0.60H [mm] "ADDED BY: HasanA, CHECKED BY: YasinY, APPROVAL STATUS: NO"
  rrect5% 1.3x1.5 smd: 1(-1.2,0) 2(1.2,0)
  silkscreen extent -2.29,-1.14 2.29,1.14, body extent -1.05,-0.67 1.05,0.67, height 0.6
R_0805_GEN_0.70H [mm] "ADDED BY: HasanA, CHECKED BY: YasinY, APPROVAL STATUS: NO"
  rrect5% 1.3x1.5 smd: 1(-1.2,0) 2(1.2,0)
  silkscreen extent -2.29,-1.14 2.29,1.14, body extent -1.05,-0.67 1.05,0.67, height 0.6
relay [mm]
  round 2.25 hole 1.5: 1(-11.951,14.351) 1(6.775,10.554) 1(6.775,18.054) 2(-13.225,10.554) 2(-9.951,8.351) 3(2.249,8.351) 3(11.775,10.554) 3(11.775,18.054) 4(2.249,20.351) 5(-13.225,18.054) 5(-9.951,20.351)
  silkscreen extent -16.74,6.1 14,22.6, body extent -15.59,8.05 13.41,20.75, height 15.7
S2G_R1_00001 [mm]
  rrect25% 2.29x2.12 smd: A(2.16,0) K(-2.16,0)
  silkscreen extent -4,-1.81 2.2,1.81, body extent -2.67,-1.81 2.67,1.81, height 2.65
SAMTEC_USB-A-S-X-X-TH [mm]
  rect 1.428x1.428 hole 0.92: 01(-3.5,2.71)
  round 1.428 hole 0.92: 02(-1,2.71) 03(1,2.71) 04(3.5,2.71)
  round 3.316 hole 2.3: S1(-6.57,0) S2(6.57,0)
  silkscreen extent -7.3,-10.4 7.3,4.5, body extent -7.87,-10.54 7.87,3.56, height 7.47
SAMTEC_USB-B-S-X-X-TH [mm]
  rect 1.408x1.408 hole 0.9: 1(1.25,4.7)
  round 1.408 hole 0.9: 2(-1.25,4.7) 3(-1.25,2.7) 4(1.25,2.7)
  round 3.316 hole 2.3: S1(-6.02,0) S2(6.02,0)
  silkscreen extent -6.05,-10.4 6.85,5.8, body extent -7.36,-10.55 7.14,5.95, height 10.7
SC1V107M6L07KVR [mm]
  rect 3.2x1.6 smd: 1(-2.5,0) 2(2.5,0)
  silkscreen extent -4.87,-3.3 3.3,3.3, body extent -3.65,-3.3 3.65,3.3, height 7.7
SMB_NRVBS360BT3G [mm] "ADDED BY: HasanA, CHECKED BY: ErayC, APPROVAL STATUS: NO"
  rrect5% 2.4x2.8 smd: 1(-2.3,0) 2(2.3,0)
  silkscreen extent -4,-2.22 4,2.22, body extent -2.79,-1.97 2.8,1.97, height 2.44
SMD_1.00x3.00_FID [mm] "ADDED BY: HasanA, CHECKED BY: ???, APPROVAL STATUS: NO"
  round 1 smd paste-1 mask+1: 1(0,0)
  Top Layer keep-out circle w0.2: c0,0 r2
  silkscreen extent -2,-2 2,2
SN74AHC244DW [mm]
  rect 1.95x0.65 smd: 1(-4.725,5.715) 2(-4.725,4.445) 3(-4.725,3.175) 4(-4.725,1.905) 5(-4.725,0.635) 6(-4.725,-0.635) 7(-4.725,-1.905) 8(-4.725,-3.175) 9(-4.725,-4.445) 10(-4.725,-5.715) 11(4.725,-5.715) 12(4.725,-4.445) 13(4.725,-3.175) 14(4.725,-1.905) 15(4.725,-0.635) 16(4.725,0.635) 17(4.725,1.905) 18(4.725,3.175) 19(4.725,4.445) 20(4.725,5.715)
  silkscreen extent -5.68,-6.4 3.4,6.72, body extent -5.16,-6.4 5.16,6.4, height 1.75
SOIC127P599X175-8N [mm]
  rrect25% 1.97x0.6 smd: 1(-2.47,1.905) 2(-2.47,0.635) 3(-2.47,-0.635) 4(-2.47,-1.905) 5(2.47,-1.905) 6(2.47,-0.635) 7(2.47,0.635) 8(2.47,1.905)
  silkscreen extent -4.54,-2.52 1.95,2.6, body extent -3,-2.45 3,2.45, height 1.75
SOIC127P600X175-8N [mm]
  rrect25% 1.97x0.6 smd: 1(-2.475,1.905) 2(-2.475,0.635) 3(-2.475,-0.635) 4(-2.475,-1.905) 5(2.475,-1.905) 6(2.475,-0.635) 7(2.475,0.635) 8(2.475,1.905)
  silkscreen extent -4.22,-2.5 2,2.72, body extent -3,-2.5 3,2.5, height 1.75
SOIC254P1016X385-4N [mm]
  rect 2.09x1.44 smd: 1(-4.54,1.27) 2(-4.54,-1.27) 3(4.54,-1.27) 4(4.54,1.27)
  silkscreen extent -5.1,-2.3 3.25,2.6
SOP8 [mil]
  rect 65x22 smd: 1(-143,75) 2(-143,25) 3(-143,-25) 4(-143,-75) 5(143,-75) 6(143,-25) 7(143,25) 8(143,75)
  silkscreen extent -110,-128 110,128, body extent -154,-122 154,122, height 79
SOT23-3_MMBT3904,215 [mm] "ADDED BY: HasanA, CHECKED BY: ???, APPROVAL STATUS: NO"
  rrect5% 1.1x0.9 smd: 1(-1.2,0.9) 2(-1.2,-0.9) 3(1.2,0)
  silkscreen extent -0.69,-1.5 0.7,1.5, body extent -1.25,-1.5 1.25,1.5, height 1.1
SOT95P280X130-3N [mm]
  rrect25% 1.12x0.6 smd: 1(-1.3,0.95) 2(-1.3,-0.95) 3(1.3,0)
  silkscreen extent -2.64,-1.45 0.8,1.45
SOT229P700X180-4N [mm]
  rrect15% 0.93x1.31 smd: 1(-2.29,-3.345) 2(0,-3.345) 3(2.29,-3.345)
  rrect15% 3.24x1.31 smd: 4(0,3.345)
  silkscreen extent -3.36,-4.47 3.36,1.86, body extent -3.25,-3.44 3.25,3.56, height 1.8
TO254P1515X470-3N [mm]
  rect 3.45x1 smd: 1(-6.3,2.54) 2(-6.3,-2.54)
  rect 9.85x10.5 smd paste-6: 3(3.1,0)
  silkscreen extent -6.88,3.72 -6.32,4.28, body extent -7.67,-5.16 7.75,5.04, height 4.6
VREG_LM5017MR/NOPB [mm]
  rrect5% 1.55x0.6 smd mask+0: 1(-2.7,1.905) 2(-2.7,0.635) 3(-2.7,-0.635) 4(-2.7,-1.905) 5(2.7,-1.905) 6(2.7,-0.635) 7(2.7,0.635) 8(2.7,1.905)
  rect 2.95x4.9 smd paste-3 mask+0: 9(0,0)
  silkscreen extent -4.17,-2.52 1.95,2.52, body extent -3.01,-2.45 3.01,2.45, height 1.57
XTAL_HC49P488W43L1085T450H368 [mm]
  round 1.08 hole 0.68: 1(-2.44,0) 2(2.44,0)
  silkscreen extent -5.43,-2.25 5.43,2.25, body extent -5.42,-2.25 5.43,2.25, height 3.68